# Altium PCB RESET_BOARD_V2.PcbDoc
Units mil, origin at the board's own origin, x right, y up, seen from the top; angles counter-clockwise.
Board outline 7250 x 2750 mil, 2 copper layers (Top Layer, Bottom Layer); 120 components, 96 nets, 349 pads, 22 vias.
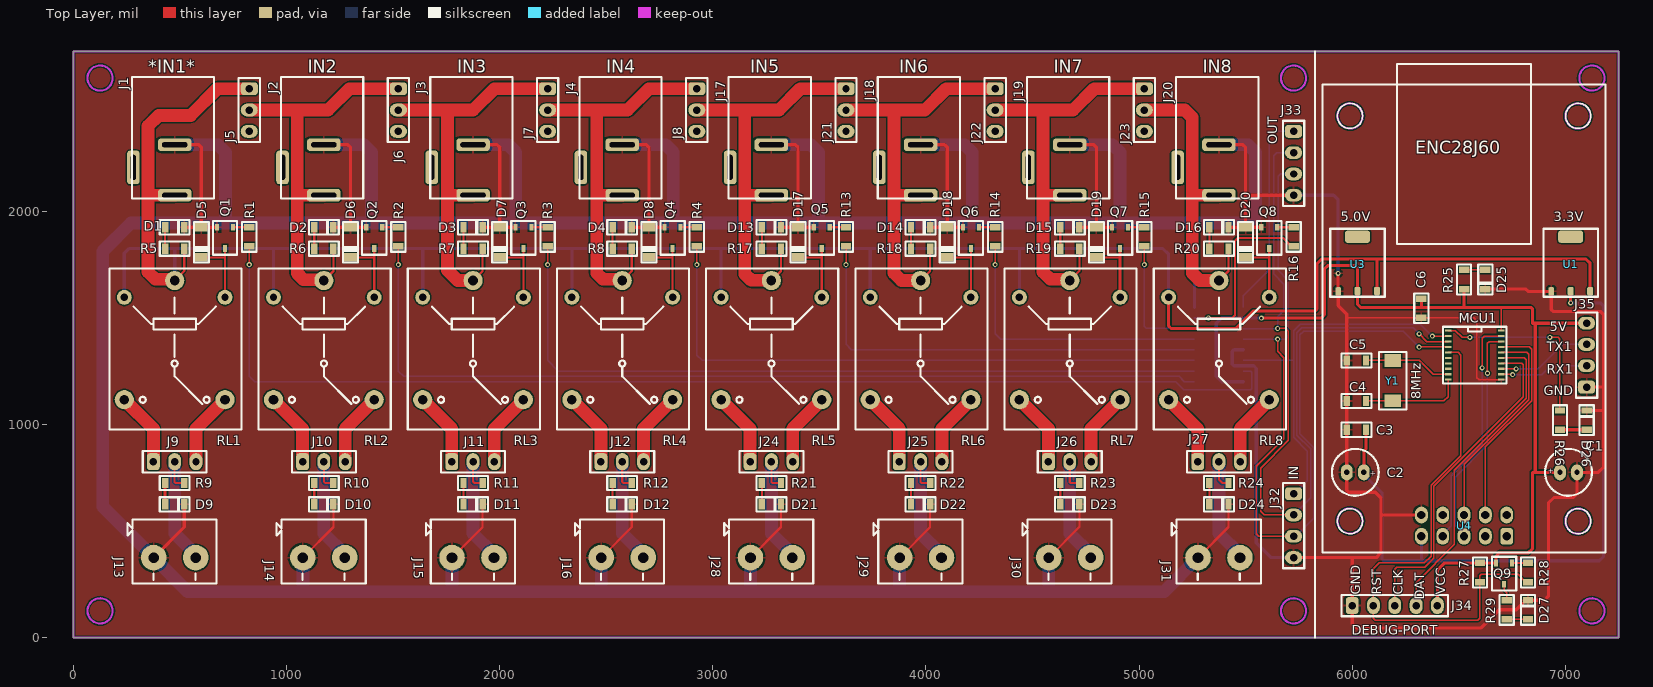
[diagram p0: Top Layer view]
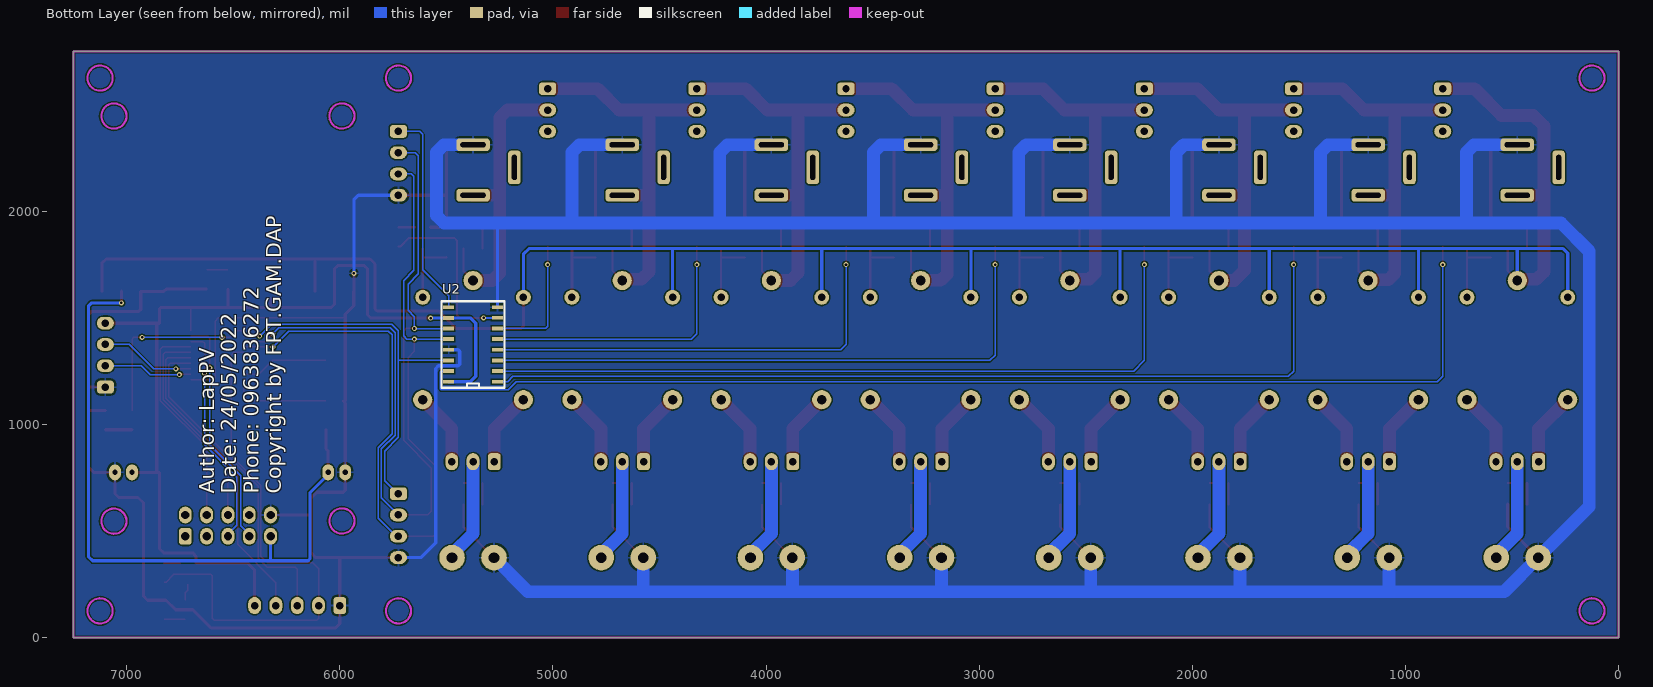
[diagram p1: Bottom Layer view, seen from below]
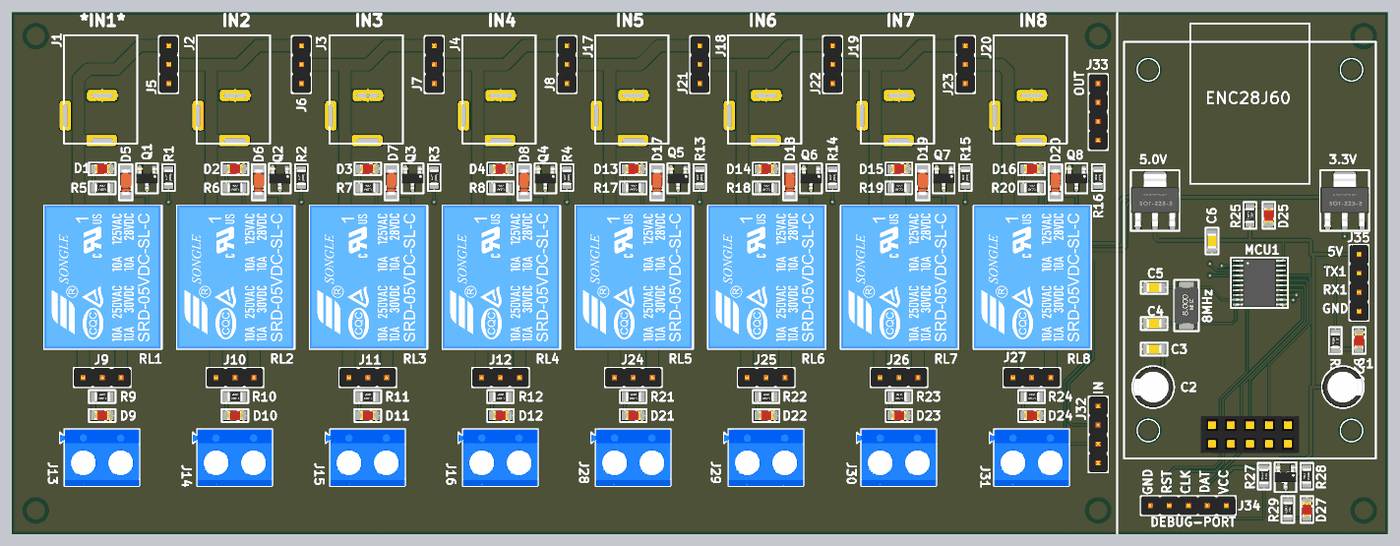
[diagram p2: 3D render of the assembled board from above, using the file's embedded part models]

## Layer stack, top to bottom
Top Solder: solder mask 0.4, Solder Resist, Dk 3.5
Top Layer: signal copper 1.4
Dielectric 1: dielectric 12.6, FR-4, Dk 4.8
Bottom Layer: signal copper 1.4
Bottom Solder: solder mask 0.4, Solder Resist, Dk 3.5

## Board outline
0,0 0,2750 7250,2750 7250,0

## Design rules (kind name [scope] priority, off if disabled: settings)
Clearance [All] p1: gap=6 ignorepadtopadclearanceinfootprint=FALSE
PolygonConnect [All] p1: connectstyle=Relief reliefconductorwidth=10 reliefentries=4 polygonreliefangle="90 Angle" airgapwidth=10
RoutingVias [All] p1: holewidth=11.81 width=23.62 viastyle="Through Hole" minholewidth=11.81 minwidth=23.62 maxholewidth=11.81 maxwidth=23.62
SolderMaskExpansion [All] p1: expansion=4 istentingtop=FALSE
Width [All] p1: maxlimit=60 minlimit=7 preferedwidth=7
30 further rules are at their usual default settings.

## Components (designator, comment, footprint, x,y, rotation, side; value= is the part's Value field where it differs from the comment)
C1 "10uF" CAP_RAD_D05x11 7015,775 r0 top
C2 "10uF" CAP_RAD_D05x11 6015,775 r180 top
C3 "104" C0805 6020,975 r0 top
C4 "104" C0805 6020,1110 r180 top
C5 "104" C0805 6020,1300 r180 top
C6 "104" C0805 6325,1545 r270 top
D1 "LED0805" L0805RED 475,1925 r0 top
D2 "LED0805" L0805RED 1175,1925 r0 top
D3 "LED0805" L0805RED 1875,1925 r0 top
D4 "LED0805" L0805RED 2575,1925 r0 top
D5 "1N4148" SOD-80 600,1854.13 r270 top
D6 "1N4148" SOD-80 1300,1854.13 r270 top
D7 "1N4148" SOD-80 2000,1854.13 r270 top
D8 "1N4148" SOD-80 2700,1854.13 r270 top
D9 "LED0805" L0805RED 475,625 r0 top
D10 "LED0805" L0805RED 1175,625 r0 top
D11 "LED0805" L0805RED 1875,625 r0 top
D12 "LED0805" L0805RED 2575,625 r0 top
D13 "LED0805" L0805RED 3275,1925 r0 top
D14 "LED0805" L0805RED 3975,1925 r0 top
D15 "LED0805" L0805RED 4675,1925 r0 top
D16 "LED0805" L0805RED 5375,1925 r0 top
D17 "1N4148" SOD-80 3400,1854.13 r270 top
D18 "1N4148" SOD-80 4100,1854.13 r270 top
D19 "1N4148" SOD-80 4800,1854.13 r270 top
D20 "1N4148" SOD-80 5500,1854.13 r270 top
D21 "LED0805" L0805RED 3275,625 r0 top
D22 "LED0805" L0805RED 3975,625 r0 top
D23 "LED0805" L0805RED 4675,625 r0 top
D24 "LED0805" L0805RED 5375,625 r0 top
D25 "LED0805" L0805RED 6625,1680 r270 top
D26 "STATUS" L0805RED 7100,1020 r90 top
D27 "STATUS" L0805RED 6825,130 r90 top
J1 "Connector" DC_K375A_Power -36.81,2362.4 r180 top
J2 "Connector" DC_K375A_Power 663.19,2362.4 r180 top
J3 "Connector" DC_K375A_Power 1363.19,2362.4 r180 top
J4 "Connector" DC_K375A_Power 2063.19,2362.4 r180 top
J5 "HEADER-MALE-2.54MM" HEADER-MALE-03PINS-2.54MM 825,2575 r270 top
J6 "HEADER-MALE-2.54MM" HEADER-MALE-03PINS-2.54MM 1525,2575 r270 top
J7 "HEADER-MALE-2.54MM" HEADER-MALE-03PINS-2.54MM 2225,2575 r270 top
J8 "HEADER-MALE-2.54MM" HEADER-MALE-03PINS-2.54MM 2925,2575 r270 top
J9 "HEADER-MALE-2.54MM" HEADER-MALE-03PINS-2.54MM 375,825 r0 top
J10 "HEADER-MALE-2.54MM" HEADER-MALE-03PINS-2.54MM 1075,825 r0 top
J11 "HEADER-MALE-2.54MM" HEADER-MALE-03PINS-2.54MM 1775,825 r0 top
J12 "HEADER-MALE-2.54MM" HEADER-MALE-03PINS-2.54MM 2475,825 r0 top
J13 "KF306" DG306-5.0-02P-12-00AH 475,375 r0 top
J14 "KF306" DG306-5.0-02P-12-00AH 1175,375 r0 top
J15 "KF306" DG306-5.0-02P-12-00AH 1875,375 r0 top
J16 "KF306" DG306-5.0-02P-12-00AH 2575,375 r0 top
J17 "Connector" DC_K375A_Power 2763.19,2362.4 r180 top
J18 "Connector" DC_K375A_Power 3463.19,2362.4 r180 top
J19 "Connector" DC_K375A_Power 4163.19,2362.4 r180 top
J20 "Connector" DC_K375A_Power 4863.19,2362.4 r180 top
J21 "HEADER-MALE-2.54MM" HEADER-MALE-03PINS-2.54MM 3625,2575 r270 top
J22 "HEADER-MALE-2.54MM" HEADER-MALE-03PINS-2.54MM 4325,2575 r270 top
J23 "HEADER-MALE-2.54MM" HEADER-MALE-03PINS-2.54MM 5025,2575 r270 top
J24 "HEADER-MALE-2.54MM" HEADER-MALE-03PINS-2.54MM 3175,825 r0 top
J25 "HEADER-MALE-2.54MM" HEADER-MALE-03PINS-2.54MM 3875,825 r0 top
J26 "HEADER-MALE-2.54MM" HEADER-MALE-03PINS-2.54MM 4575,825 r0 top
J27 "HEADER-MALE-2.54MM" HEADER-MALE-03PINS-2.54MM 5275,825 r0 top
J28 "KF306" DG306-5.0-02P-12-00AH 3275,375 r0 top
J29 "KF306" DG306-5.0-02P-12-00AH 3975,375 r0 top
J30 "KF306" DG306-5.0-02P-12-00AH 4675,375 r0 top
J31 "KF306" DG306-5.0-02P-12-00AH 5375,375 r0 top
J32 "IN" HEADER-MALE-04PINS-2.54MM 5725,675 r270 top
J33 "OUT" HEADER-MALE-04PINS-2.54MM 5725,2375 r270 top
J34 "SWD" HEADER-MALE-05PINS-2.54MM 6000,150 r0 top
J35 "UART0" HEADER-MALE-04PINS-2.54MM 7100,1175 r90 top
MCU1 "Mini58FDE" TSSOP20_0.65_4.4 6575,1325 r0 top
Q1 "2N3904" SOT23-3 711.23,1875 r180 top
Q2 "2N3904" SOT23-3 1411.23,1875 r180 top
Q3 "2N3904" SOT23-3 2111.23,1875 r180 top
Q4 "2N3904" SOT23-3 2811.23,1875 r180 top
Q5 "2N3904" SOT23-3 3511.23,1875 r180 top
Q6 "2N3904" SOT23-3 4211.23,1875 r180 top
Q7 "2N3904" SOT23-3 4911.23,1875 r180 top
Q8 "2N3904" SOT23-3 5611.22,1875 r180 top
Q9 "2N3906" SOT23-3 6712.6,300 r180 top
R1 "10k" R0805 825,1880 r90 top
R2 "10k" R0805 1525,1880 r90 top
R3 "10k" R0805 2225,1880 r90 top
R4 "10k" R0805 2925,1880 r90 top
R5 "10k" R0805 475,1825 r0 top
R6 "10k" R0805 1175,1825 r0 top
R7 "10k" R0805 1875,1825 r0 top
R8 "10k" R0805 2575,1825 r0 top
R9 "10k" R0805 475,725 r0 top
R10 "10k" R0805 1175,725 r0 top
R11 "10k" R0805 1875,725 r0 top
R12 "10k" R0805 2575,725 r0 top
R13 "10k" R0805 3625,1880 r90 top
R14 "10k" R0805 4325,1880 r90 top
R15 "10k" R0805 5025,1880 r90 top
R16 "10k" R0805 5725,1880 r90 top
R17 "10k" R0805 3275,1825 r0 top
R18 "10k" R0805 3975,1825 r0 top
R19 "10k" R0805 4675,1825 r0 top
R20 "10k" R0805 5375,1825 r0 top
R21 "10k" R0805 3275,725 r0 top
R22 "10k" R0805 3975,725 r0 top
R23 "10k" R0805 4675,725 r0 top
R24 "10k" R0805 5375,725 r0 top
R25 "10k" R0805 6525,1680 r270 top
R26 "10k" R0805 6975,1020 r270 top
R27 "10k" R0805 6600,305 r270 top
R28 "10k" R0805 6825,305 r90 top
R29 "10k" R0805 6725,130 r270 top
RL1 "Relay-SONGLE-SRD-05VDC" RELAY-SONGLE-SRD-05VDC_BLUE 475,1395.65 r90 top
RL2 "Relay-SONGLE-SRD-05VDC" RELAY-SONGLE-SRD-05VDC_BLUE 1175,1395.65 r90 top
RL3 "Relay-SONGLE-SRD-05VDC" RELAY-SONGLE-SRD-05VDC_BLUE 1875,1395.65 r90 top
RL4 "Relay-SONGLE-SRD-05VDC" RELAY-SONGLE-SRD-05VDC_BLUE 2575,1395.65 r90 top
RL5 "Relay-SONGLE-SRD-05VDC" RELAY-SONGLE-SRD-05VDC_BLUE 3275,1395.65 r90 top
RL6 "Relay-SONGLE-SRD-05VDC" RELAY-SONGLE-SRD-05VDC_BLUE 3975,1395.65 r90 top
RL7 "Relay-SONGLE-SRD-05VDC" RELAY-SONGLE-SRD-05VDC_BLUE 4675,1395.65 r90 top
RL8 "Relay-SONGLE-SRD-05VDC" RELAY-SONGLE-SRD-05VDC_BLUE 5375,1395.65 r90 top
U1 "3.3V" SOT223-3 7025,1760.83 r0 top
U2 "74HC595D" SO16 5375,1375 r0 bottom
U3 "5.0V" SOT223-3 6025,1760.83 r0 top
U4 "ENC28J60" ENC28J60 6525,525 r0 top
Y1 "8MHz" SMD5032 6190,1205 r90 top

## Footprints (in the part's own frame and the unit in brackets; to place one, negate y for a bottom-side part, rotate by r counter-clockwise, add the part's x,y. Pads: shape width x height; smd on the part's side, far side on the other; paste and mask are expansions set on the pad)
C0805 [mil]
  rect 30x48.82 smd: 1(-45,0) 2(45,0)
  silkscreen extent -70,-33 70,33, body extent -39,-24 39,24, height 39
CAP_RAD_D05x11 [mil]
  oval 55x75 hole 25: 1(-40,0) 2(40,0)
  silkscreen extent -110,-110 110,110, body extent -108,-108 108,108, height 492
DC_K375A_Power [mm]
  rrect50% 4x1.5 hole 0.6 slot 3 at 0 deg: 1(-13,7.3) 2(-13,1.275)
  rrect50% 1.5x4 hole 0.6 slot 3 at 90 deg: 3(-8.075,3.975)
  silkscreen extent -17.7,-6.8 -7.9,7.7, body extent -17.7,-6.8 -7.9,7.7, height 11
DG306-5.0-02P-12-00AH [mil] "• Current rating: 10 A AC/DC  • Voltage rating: 300 V AC/DC  • Temperature range: -30° ~ +120°  • Applicable wire: 22-14AWG UL (0.5 - 1.5mm² IEC)"
  round 120 hole 50: 1(-98.43,0) 2(98.43,0)
  silkscreen extent -221,-121 197,178, body extent -221,-121 196,178, height 394
ENC28J60 [mm]
  rrect50% 1.524x2 hole 1: 1(5.08,-1.27)
  oval 1.524x2 hole 1: 2(5.08,1.27) 3(2.54,-1.27) 4(2.54,1.27) 5(0,-1.27) 6(0,1.27) 7(-2.54,-1.27) 8(-2.54,1.27) 9(-5.08,-1.27) 10(-5.08,1.27)
  silkscreen extent -16.85,-3.22 16.85,55, body extent -6.6,-2.51 6.6,2.49, height 8.5
HEADER-MALE-03PINS-2.54MM [mil]
  rrect50% 60x80 hole 35: 1(0,0)
  oval 60x80 hole 35: 2(100,0) 3(200,0)
  silkscreen extent -50,-50 250,50, body extent -50,-50 250,50, height 350
HEADER-MALE-04PINS-2.54MM [mil]
  rrect50% 60x80 hole 35: 1(0,0)
  oval 60x80 hole 35: 2(100,0) 3(200,0) 4(300,0)
  silkscreen extent -50,-50 350,50, body extent -50,-50 350,50, height 350
HEADER-MALE-05PINS-2.54MM [mil]
  rrect50% 60x80 hole 35: 1(0,0)
  oval 60x80 hole 35: 2(100,0) 3(200,0) 4(300,0) 5(400,0)
  silkscreen extent -50,-50 450,50, body extent -50,-50 450,50, height 350
L0805RED [mil]
  rect 30x48.82 smd: 1(-45,0) 2(45,0)
  silkscreen extent -70,-35 70,35, body extent -39,-25 39,25, height 43
R0805 [mil]
  rect 30x48.82 smd: 1(-45,0) 2(45,0)
  silkscreen extent -70,-33 70,33, body extent -39,-25 40,25, height 18
RELAY-SONGLE-SRD-05VDC_BLUE [mil]
  round 70 hole 35: 1(200.61,-236.22) 3(200.61,236.22)
  round 90 hole 45: 2(279.35,0) 4(-279.7,236.22) 5(-279.7,-236.22)
  silkscreen extent -419,-314 335,306, body extent -418,-309 338,305, height 626
SMD5032 [mm]
  rect 1.5x2 smd: 1(-2.413,0) 2(2.413,0)
  silkscreen extent -3.43,-1.65 3.43,1.63, body extent -2.5,-1.6 2.5,1.6, height 1.2
SO16 [mil]
  rect 50x18 smd: 1(-114.78,174.95) 2(-114.78,124.95) 3(-114.78,74.95) 4(-114.78,24.95) 5(-114.78,-25.05) 6(-114.78,-75.05) 7(-114.78,-125.05) 8(-114.78,-175.05) 9(114.78,-174.95) 10(114.78,-124.95) 11(114.78,-74.95) 12(114.78,-24.95) 13(114.78,25.05) 14(114.78,75.05) 15(114.78,125.05) 16(114.78,175.05)
  silkscreen extent -148,-203 149,203, body extent -121,-196 121,196, height 69
SOD-80 [mil]
  rect 40x60 smd: 1(-70.87,0) 2(70.87,0)
  silkscreen extent -95,-35 95,37, body extent -69,-30 69,29, height 58
SOT23-3 [mm]
  rect 0.5x0.8 smd: 1(-0.95,-1.27) 2(0.95,-1.27) 3(0,1.27)
  silkscreen extent -1.45,-2 1.45,2, body extent -1.45,-1.4 1.45,1.4, height 1.3
SOT223-3 [mm]
  rrect50% 0.7x1 smd: 1(-2.3,-3.475) 2(0,-3.45) 3(2.325,-3.45)
  rrect50% 3x1.5 smd: 4(0,3.048)
  silkscreen extent -3.25,-4.11 3.25,3.99, body extent -3.25,-3.5 3.25,3.5, height 1.7
TSSOP20_0.65_4.4 [mil]
  rect 30x10 smd: 1(-125,115.16) 2(-125,89.57) 3(-125,63.98) 4(-125,38.39) 5(-125,12.8) 6(-125,-12.8) 7(-125,-38.39) 8(-125,-63.98) 9(-125,-89.57) 10(-125,-115.16) 11(125,-115.16) 12(125,-89.57) 13(125,-63.98) 14(125,-38.39) 15(125,-12.8) 16(125,12.8) 17(125,38.39) 18(125,63.98) 19(125,89.57) 20(125,115.16)
  silkscreen extent -150,-133 150,133, body extent -124,-128 124,128, height 43

## Part data
C1 C2: library part Capacitor(Radian)
C3 C4 C5 C6: library part Capacitors(SMD)
D5 D6 D7 D8 D17 D18 D19 D20: library part Diode-1N4148, "The fast switching diode"
D26 D27: library part LED0805
J1 J2 J3 J4 J17 J18 J19 J20: library part JackDC
J5 J6 J7 J8 J9 J10 J11 J12 J21 J22 J23 J24 J25 J26 J27: library part HEADER-MALE-03PINS-2.54MM
J13 J14 J15 J16 J28 J29 J30 J31: library part DG306-5.0-02P-12-00AH
J32 J33 J35: library part HEADER-MALE-04PINS-2.54MM
J34: library part HEADER-MALE-05PINS-2.54MM
MCU1: library part Mcu-Mini58FDE, "Novoton 4Kb-RAM 32Kb-Flash"
Q1 Q2 Q3 Q4 Q5 Q6 Q7 Q8: library part Transistor-2N3904
Q9: library part Transistor-2N3906
R1 R2 R3 R4 R5 R6 R7 R8 R9 R10 R11 R12 R13 R14 R15 R16 R17 R18 R19 R20 R21 R22 R23 R24 R25 R26 R27 R28 R29: library part Resistors-SMD
U1 U3: library part Ic-AMS1117(SOT-223)
U2: library part Ic-74HC595D
Y1: library part Crystal

## Via types
v1: diameter 23.62, hole 11.81, Top Layer to Bottom Layer, tented both sides, 22 vias

## Nets (pads, with @x,y where several pads share a name; then routed paths per layer and width w, separated by ;. In a path a pad name is that pad's centre, name@x,y a point inside that pad or via, vN(x,y) a via of type N, cw(c..) or ccw(c..) an arc to the next point about the centre after c; other vN are vias at no path point)
+12: J1.1 J5.1 R5.2 RL1.2 RL1.3 RL2.3 RL3.3 RL4.3 RL5.3 RL6.3 RL7.3 RL8.3 U1.3 U3.3 | length 11190.2
  Top Layer w10: RL1.2 520,1720 R5.2
  Top Layer w15: RL8.3 5138.78,1461.22 5150,1450 5454,1450 5536,1532 5826,1532 5835,1541 5835,1753 5858,1776 6117.49,1776 ; U3.3 6116.54,1775.05 6117.49,1776 ; U1.3 7116.54,1756.46 7097,1776 6117.49,1776
  Top Layer w60: RL1.2 469.26,1680.74 385,1680.74 350,1715.74 350,2075 ; J1.1 350,2075 ; J5.1 675,2575 550,2450 400,2450 350,2400 350,2075
  Bottom Layer w15: RL1.3 238.78,1803.78 260,1825 475,1825 ; RL1.2 475,1825 ; RL2.3 938.78,1823.72 937.5,1825 ; RL3.3 1638.78,1823.72 1637.5,1825 ; RL4.3 2338.78,1823.72 2337.5,1825 ; RL5.3 3038.78,1823.72 3037.5,1825 ; RL6.3 3738.78,1823.72 3737.5,1825 ; RL7.3 4438.78,1823.72 4437.5,1825 ; RL8.3 5138.78,1798.72 5112.5,1825 4437.5,1825 ; 475,1825 937.5,1825 ; 937.5,1825 1637.5,1825 ; 1637.5,1825 2337.5,1825 ; 2337.5,1825 3037.5,1825 ; 3037.5,1825 3737.5,1825 ; 3737.5,1825 4437.5,1825
CLK: J32.2 J33.2 MCU1.3 U2.11 | length 3879.4
  Top Layer w7: v1(5650,1450) 5688,1450 5700,1438 5700,925 5570,795 5570,592.5 5587.5,575 J32.2 ; v1(6314,1425) 6314.18,1425 6350.2,1388.98 MCU1.3
  Bottom Layer w7: U2.11 v1(5650,1450) 5650,1505 5680,1535 5680,1658 5632,1706 5632,2260 5647,2275 J33.2 ; J32.2 5805,655 5805,885 5740,950 5740,1430 5763,1453 6285.74,1453 6313.74,1425 v1(6314,1425)
CS: MCU1.19 U4.7 | length 1112.3
  Top Layer w7: U4.7 U4.7@6424.96,486.66 ; v1(6610,1265) 6610,1405 6619.57,1414.57 MCU1.19
  Bottom Layer w7: U4.7 6425,484.37 6464.5,523.87 6464.5,759.5 6610,905 v1(6610,1265)
DAT: J32.1 MCU1.2 U2.14 | length 1816.5
  Top Layer w7: v1(6376,1414) 6376.57,1414.57 MCU1.2
  Bottom Layer w7: U2.14 5725,1299.95 ; J32.1 5728.78,675 5790,736.22 5790,875 5725,940 5725,1299.95 ; v1(6376,1414) 6320,1470 5756,1470 5725,1439 5725,1299.95
GND: C1.2 C2.2 C3.1 C4.2 C5.2 C6.2 D1.2 D2.2 D3.2 D4.2 D5.1 D6.1 D7.1 D8.1 D9.2 D10.2 D11.2 D12.2 D13.2 D14.2 D15.2 D16.2 D17.1 D18.1 D19.1 D20.1 D21.2 D22.2 D23.2 D24.2 D25.2 D26.2 D27.2 J1.2 J2.2 J3.2 J4.2 J13.1 J14.1 J15.1 J16.1 J17.2 J18.2 J19.2 J20.2 J28.1 J29.1 J30.1 J31.1 J32.4 J33.4 J34.1 J35.1 MCU1.11 Q1.2 Q2.2 Q3.2 Q4.2 Q5.2 Q6.2 Q7.2 Q8.2 U1.1 U2.8 U2.13 U3.1 U4.10 | length 34459.7
  Top Layer w7: 5975,1500 C6.2 6570,1500 6585,1485 6585,1220 6595.16,1209.84 6625,1209.84 ; 6625,1210 6699.84,1210 MCU1.11
  Top Layer w10: J14.1 1220,518.43 D10.2 ; J15.1 1920,518.43 D11.2 ; J16.1 2620,518.43 D12.2 ; J28.1 3320,518.43 D21.2 ; J29.1 4020,518.43 D22.2 ; J30.1 4720,518.43 D23.2 ; J31.1 5420,518.43 D24.2
  Top Layer w15: J13.1 520,518.43 D9.2 ; J1.2 587.8,2312.2 600,2300 D5.1 ; D1.2 D5.1 ; Q1.2 D5.1 ; J2.2 1287.8,2312.2 1300,2300 D6.1 ; D2.2 D6.1 ; Q2.2 D6.1 ; J3.2 1875.3,2312.5 1987.5,2312.5 2000,2300 D7.1 ; D3.2 D7.1 ; Q3.2 D7.1 ; J4.2 2687.8,2312.2 2700,2300 D8.1 ; D4.2 D8.1 ; Q4.2 D8.1 ; J17.2 3387.8,2312.2 3400,2300 D17.1 ; D13.2 D17.1 ; Q5.2 D17.1 ; J18.2 4087.8,2312.2 4100,2300 D18.1 ; D14.2 D18.1 ; Q6.2 D18.1 ; J19.2 4787.8,2312.2 4800,2300 D19.1 ; D15.2 D19.1 ; Q7.2 D19.1 ; J20.2 5487.2,2312.2 5500,2299.41 5500,2075 ; D16.2 D20.1 ; Q8.2 D20.1 ; J32.4 6003,375 ; J33.4 5500,2075 ; v1(5934,1709) 5934.22,1708.78 5934.22,1624.24 U3.1 5934.45,1557.28 5975,1516.73 5975,1500 C5.2 C4.2 ; C4.2@5985,1110 5975,1100 C3.1 C2.2 5975,690.79 5983.79,682 6108,682 6115.99,674.01 6135,655 6135,575 ; U4.10 6135,575 ; D25.2 6815,1635 6825.98,1624.02 U1.1 6934.45,1538.79 6943.24,1530 7165,1530 7180,1515 7180,1175 ; D26.2 7178,1065 7180,1067 ; J35.1 7180,1175 ; D20.1 5500,2075 ; 6003,375 6000,372 J34.1 6000,65 6020,45 6605,45 6690,130 6770.59,130 6815.59,175 D27.2 6902.5,175 6921,193.5 6921,631 6947,657 7038,657 7055,674 C1.2 7155,775 7180,800 7180,1067 ; 6003,375 6113,375 6135,397 6135,575 ; 7180,1067 7180,1175
  Bottom Layer w15: 5260,1945 5260.22,1944.78 U2.8 ; U2.13 5444.95,1349.95 5437.5,1342.5 5437.5,1282.5 5445,1275 5537.5,1275 5550,1262.5 5550,445 5620,375 J32.4 ; J33.4 5913,2075 5934,2054 v1(5934,1709)
  Bottom Layer w60: J1.2 678.85,2312.2 714,2277.06 714,1948 711,1945 ; J14.1 1076.57,216.57 1075,215 ; J2.2 1362.85,2312.2 1398,2277.06 1398,1945 ; J15.1 1776.57,226.57 1765,215 ; J3.2 2039.85,2312.2 2075,2277.06 2075,1945 ; J16.1 2476.57,221.57 2470,215 ; J4.2 2778.85,2312.2 2814,2277.06 2814,1945 ; J28.1 3176.57,216.57 3175,215 ; J17.2 3460.85,2312.2 3496,2277.06 3496,1947 3498,1945 ; J29.1 3876.57,226.57 3865,215 ; J18.2 4181.36,2312.2 4217.14,2276.43 4217.14,1945.14 4217,1945 ; J30.1 4576.57,218.43 4580,215 ; J19.2 4875.85,2312.2 4911,2277.06 4911,1946 4910,1945 ; J31.1 5116.57,215 4580,215 ; J20.2 5510.85,2312.2 5546,2277.06 5546,1980.15 5510.85,1945 5260,1945 4910,1945 ; 711,1945 270,1945 137.5,1812.5 137.5,614.07 J13.1 536.57,215 1075,215 ; 711,1945 1398,1945 ; 1075,215 1765,215 ; 1398,1945 2075,1945 ; 1765,215 2470,215 ; 2075,1945 2814,1945 ; 2470,215 3175,215 ; 2814,1945 3498,1945 ; 3175,215 3865,215 ; 3498,1945 4217,1945 ; 3865,215 4580,215 ; 4217,1945 4910,1945
ICE_CLK: J34.3 MCU1.14 | length 1562.2
  Top Layer w7: J34.3 6200,320 6209.5,329.5 6341.5,329.5 6383,371 6383,708.62 6803,1128.62 6803,1279 6795.39,1286.61 MCU1.14
ICE_DAT: J34.4 MCU1.15 | length 1486.5
  Top Layer w7: J34.4 6300,257 6480,437 6480,785.77 6816,1121.77 6816,1303 6806.8,1312.2 MCU1.15
LAT: J32.3 J33.3 MCU1.4 U2.12 | length 3971.2
  Top Layer w7: v1(5650,1400) 5650,1342.5 5680,1312.5 5680,933.28 5550,803.28 5550,487.5 5562.5,475 J32.3 ; v1(6314,1363) 6314.19,1363.19 6449.81,1363.19 MCU1.4
  Bottom Layer w7: U2.12 v1(5650,1400) 5685,1400 5701,1416 5701,1675 5653,1723 5653,2164 5664,2175 J33.3 ; J32.3 5735,475 5820,560 5820,890 5755,955 5755,1420 5772,1437 6240,1437 v1(6314,1363)
NetC2_1: C2.1 C3.2 U1.2 U4.9 | length 3203.7
  Top Layer w15: C2.1 6055,874 6065,884 C3.2 ; v1(7025,1570) U1.2
  Bottom Layer w15: C2.1 6055,765 6140,680 6140,368.79 6148.79,360 6325,360 7160,360 7180,380 7180,1555 7165,1570 v1(7025,1570) ; 6324.96,360.04 U4.9
NetD1_1: D1.1 R5.1 | length 100
  Top Layer w10: R5.1 D1.1
NetD2_1: D2.1 R6.1 | length 100
  Top Layer w10: R6.1 D2.1
NetD3_1: D3.1 R7.1 | length 100
  Top Layer w10: R7.1 D3.1
NetD4_1: D4.1 R8.1 | length 100
  Top Layer w10: R8.1 D4.1
NetD5_2: D5.2 Q1.3 RL1.1 | length 340
  Top Layer w10: D5.2 711.23,1783.27 ; RL1.1 711.23,1783.27 ; Q1.3 711.23,1783.27
NetD6_2: D6.2 Q2.3 RL2.1 | length 340
  Top Layer w10: D6.2 1411.23,1783.27 ; RL2.1 1411.23,1783.27 ; Q2.3 1411.23,1783.27
NetD7_2: D7.2 Q3.3 RL3.1 | length 340
  Top Layer w10: D7.2 2111.23,1783.27 ; RL3.1 2111.23,1783.27 ; Q3.3 2111.23,1783.27
NetD8_2: D8.2 Q4.3 RL4.1 | length 340
  Top Layer w10: D8.2 2811.23,1783.27 ; RL4.1 2811.23,1783.27 ; Q4.3 2811.23,1783.27
NetD9_1: D9.1 R9.1 | length 100
  Top Layer w15: D9.1 R9.1
NetD10_1: D10.1 R10.1 | length 100
  Top Layer w10: D10.1 R10.1
NetD11_1: D11.1 R11.1 | length 100
  Top Layer w10: D11.1 R11.1
NetD12_1: D12.1 R12.1 | length 100
  Top Layer w10: D12.1 R12.1
NetD13_1: D13.1 R17.1 | length 100
  Top Layer w10: R17.1 D13.1
NetD14_1: D14.1 R18.1 | length 100
  Top Layer w10: R18.1 D14.1
NetD15_1: D15.1 R19.1 | length 100
  Top Layer w10: R19.1 D15.1
NetD16_1: D16.1 R20.1 | length 100
  Top Layer w10: R20.1 D16.1
NetD17_2: D17.2 Q5.3 RL5.1 | length 340
  Top Layer w10: D17.2 3511.23,1783.27 ; RL5.1 3511.23,1783.27 ; Q5.3 3511.23,1783.27
NetD18_2: D18.2 Q6.3 RL6.1 | length 340
  Top Layer w10: D18.2 4211.23,1783.27 ; RL6.1 4211.23,1783.27 ; Q6.3 4211.23,1783.27
NetD19_2: D19.2 Q7.3 RL7.1 | length 340
  Top Layer w10: D19.2 4911.23,1783.27
  Top Layer w15: RL7.1 4911.23,1783.27 Q7.3
NetD20_2: D20.2 Q8.3 RL8.1 | length 342.8
  Top Layer w10: D20.2@5502,1785.27 D20.2 5611.22,1783.27 ; RL8.1 5611.22,1783.27 ; Q8.3 5611.22,1783.27
NetD21_1: D21.1 R21.1 | length 100
  Top Layer w10: D21.1 R21.1
NetD22_1: D22.1 R22.1 | length 100
  Top Layer w10: D22.1 R22.1
NetD23_1: D23.1 R23.1 | length 100
  Top Layer w10: D23.1 R23.1
NetD24_1: D24.1 R24.1 | length 100
  Top Layer w10: D24.1 R24.1
NetD25_1: D25.1 R25.1 | length 100
  Top Layer w7: R25.1 D25.1
NetD26_1: D26.1 R26.2 | length 125
  Top Layer w15: R26.2 D26.1
NetD27_1: D27.1 R29.2 | length 100
  Top Layer w7: R29.2 D27.1
NetJ2_1: J2.1 J5.2 J6.1 R6.2 RL2.2 | length 1940.1
  Top Layer w10: RL2.2 1220,1720 R6.2
  Top Layer w60: J5.2 1050,2475 ; RL2.2 1171,1679 1080,1679 1050,1709 1050,2075 ; J2.1 1050,2075 ; J6.1 1295,2575 1195,2475 1050,2475 ; 1050,2075 1050,2475
NetJ3_1: J3.1 J6.2 J7.1 R7.2 RL3.2 | length 1921.7
  Top Layer w10: RL3.2 1920,1720 R7.2
  Top Layer w60: J6.2 1755,2475 ; RL3.2 1803.5,1675 1755,1723.5 1755,2075 ; J3.1 1755,2075 ; J7.1 1975,2575 1875,2475 1755,2475 ; 1755,2075 1755,2475
NetJ4_1: J4.1 J7.2 J8.1 R8.2 RL4.2 | length 1929.1
  Top Layer w10: RL4.2 2620,1720 R8.2
  Top Layer w60: J7.2 2455,2475 ; RL4.2 2569.26,1680.74 2485,1680.74 2455,1710.74 2455,2075 ; J4.1 2455,2075 ; J8.1 2700,2575 2600,2475 2455,2475 ; 2455,2075 2455,2475
NetJ8_2: J8.2 J17.1 J21.1 R17.2 RL5.2 | length 1941.9
  Top Layer w10: RL5.2 3320,1720 R17.2
  Top Layer w60: J8.2 3150,2475 ; RL5.2 3274,1676 3180,1676 3150,1706 3150,2075 ; J17.1 3150,2075 ; J21.1 3410,2575 3310,2475 3150,2475 ; 3150,2075 3150,2475
NetJ9_1: J9.1 RL1.4 | length 347.4
  Top Layer w60: RL1.4 375,979.72 J9.1
NetJ9_2: J9.2 J13.2 R9.2 | length 632.3
  Top Layer w10: J9.2 475,730.86 480.86,725 R9.2
  Bottom Layer w60: J9.2 475,488.71 573.43,390.28 J13.2
NetJ9_3: J9.3 RL1.5 | length 347.4
  Top Layer w60: J9.3 575,979.72 RL1.5
NetJ10_1: J10.1 RL2.4 | length 347.4
  Top Layer w60: RL2.4 1075,979.72 J10.1
NetJ10_2: J10.2 J14.2 R10.2 | length 632.3
  Top Layer w10: J10.2 1175,730.86 1180.86,725 R10.2
  Bottom Layer w60: J10.2 1175,488.71 1273.43,390.28 J14.2
NetJ10_3: J10.3 RL2.5 | length 347.4
  Top Layer w60: J10.3 1275,979.72 RL2.5
NetJ11_1: J11.1 RL3.4 | length 347.4
  Top Layer w60: RL3.4 1775,979.72 J11.1
NetJ11_2: J11.2 J15.2 R11.2 | length 632.3
  Top Layer w10: J11.2 1875,730.86 1880.86,725 R11.2
  Bottom Layer w60: J11.2 1875,488.71 1973.43,390.28 J15.2
NetJ11_3: J11.3 RL3.5 | length 347.4
  Top Layer w60: J11.3 1975,979.72 RL3.5
NetJ12_1: J12.1 RL4.4 | length 347.4
  Top Layer w60: RL4.4 2475,979.72 J12.1
NetJ12_2: J12.2 J16.2 R12.2 | length 632.3
  Top Layer w10: J12.2 2575,730.86 2580.86,725 R12.2
  Bottom Layer w60: J12.2 2575,488.71 2673.43,390.28 J16.2
NetJ12_3: J12.3 RL4.5 | length 347.4
  Top Layer w60: J12.3 2675,979.72 RL4.5
NetJ18_1: J18.1 J21.2 J22.1 R18.2 RL6.2 | length 1939.6
  Top Layer w10: RL6.2 4020,1720 R18.2
  Top Layer w60: J21.2 3850,2475 ; RL6.2 3885,1675 3850,1710 3850,2075 ; J18.1 3850,2075 ; J22.1 4095,2575 3995,2475 3850,2475 ; 3850,2075 3850,2475
NetJ19_1: J19.1 J22.2 J23.1 R19.2 RL7.2 | length 1936.2
  Top Layer w10: RL7.2 4720,1720 R19.2
  Top Layer w60: J22.2 4550,2475 ; RL7.2 4669.26,1680.74 4585,1680.74 4550,1715.74 4550,2075 ; J19.1 4550,2075 ; J23.1 4790,2575 4690,2475 4550,2475 ; 4550,2075 4550,2475
NetJ20_1: J20.1 J23.2 R20.2 RL8.2 | length 1402.5
  Top Layer w10: RL8.2 5420,1720 R20.2
  Top Layer w60: J23.2 5214.85,2475 5250,2439.85 5250,2075 ; RL8.2 5285,1675 5250,1710 5250,2075 ; J20.1 5250,2075
NetJ24_1: J24.1 RL5.4 | length 347.4
  Top Layer w60: RL5.4 3175,979.72 J24.1
NetJ24_2: J24.2 J28.2 R21.2 | length 632.3
  Top Layer w10: J24.2 3275,730.86 3280.86,725 R21.2
  Bottom Layer w60: J24.2 3275,488.71 3373.43,390.28 J28.2
NetJ24_3: J24.3 RL5.5 | length 347.4
  Top Layer w60: J24.3 3375,979.72 RL5.5
NetJ25_1: J25.1 RL6.4 | length 347.4
  Top Layer w60: RL6.4 3875,979.72 J25.1
NetJ25_2: J25.2 J29.2 R22.2 | length 632.3
  Top Layer w10: J25.2 3975,730.86 3980.86,725 R22.2
  Bottom Layer w60: J25.2 3975,488.71 4073.43,390.28 J29.2
NetJ25_3: J25.3 RL6.5 | length 347.4
  Top Layer w60: J25.3 4075,979.72 RL6.5
NetJ26_1: J26.1 RL7.4 | length 347.4
  Top Layer w60: RL7.4 4575,979.72 J26.1
NetJ26_2: J26.2 J30.2 R23.2 | length 632.3
  Top Layer w10: J26.2 4675,730.86 4680.86,725 R23.2
  Bottom Layer w60: J26.2 4675,488.71 4773.43,390.28 J30.2
NetJ26_3: J26.3 RL7.5 | length 347.4
  Top Layer w60: J26.3 4775,979.72 RL7.5
NetJ27_1: J27.1 RL8.4 | length 347.4
  Top Layer w60: RL8.4 5275,979.72 J27.1
NetJ27_2: J27.2 J31.2 R24.2 | length 627
  Top Layer w10: J27.2 5375,740 5390,725 R24.2
  Bottom Layer w60: J27.2 5375,488.71 5473.43,390.28 J31.2
NetJ27_3: J27.3 RL8.5 | length 347.4
  Top Layer w60: J27.3 5475,979.72 RL8.5
NetJ35_2: J35.2 MCU1.12 | length 417.6
  Top Layer w7: MCU1.12 6700.72,1234.72 6752.28,1234.72 v1(6753,1234)
  Bottom Layer w7: v1(6753,1234) 6890,1234 6931,1275 J35.2
NetJ35_3: J35.3 MCU1.13 | length 448.1
  Top Layer w7: MCU1.13 v1(6769.5,1261.02)
  Bottom Layer w7: v1(6769.5,1261.02) 6770.52,1260 6874,1260 6989,1375 J35.3
NetMCU1_1: MCU1.1 R26.1 | length 876.6
  Top Layer w7: MCU1.1 6484.84,1440.16 6517,1408 v1(6552,1408) ; v1(6928,1408) 6967,1408 6975,1400 R26.1
  Bottom Layer w7: v1(6552,1408) v1(6928,1408)
NetQ1_1: Q1.1 R1.2 | length 76.4
  Top Layer w10: Q1.1 R1.2
NetQ2_1: Q2.1 R2.2 | length 76.4
  Top Layer w10: Q2.1 R2.2
NetQ3_1: Q3.1 R3.2 | length 76.4
  Top Layer w10: Q3.1 R3.2
NetQ4_1: Q4.1 R4.2 | length 76.4
  Top Layer w10: Q4.1 R4.2
NetQ5_1: Q5.1 R13.2 | length 76.4
  Top Layer w10: Q5.1 R13.2
NetQ6_1: Q6.1 R14.2 | length 76.4
  Top Layer w10: Q6.1 R14.2
NetQ7_1: Q7.1 R15.2 | length 76.4
  Top Layer w10: Q7.1 R15.2
NetQ8_1: Q8.1 R16.2 | length 76.4
  Top Layer w10: Q8.1 R16.2
NetQ9_1: Q9.1 R28.2 | length 75
  Top Layer w10: Q9.1 R28.2
NetQ9_3: Q9.3 R29.1 | length 80.1
  Top Layer w7: Q9.3 6712.6,221.4 6725,209 R29.1
NetR1_1: R1.1 U2.15 | length 5461.8
  Top Layer w7: v1(825,1750) R1.1
  Bottom Layer w7: v1(825,1750) 825,1225 850,1200 5171.72,1200 5209.22,1162.5 5524.14,1162.5 5530,1168.36 5530,1244.14 5524.14,1250 U2.15 U2.15
NetR2_1: R2.1 U2.1 | length 4340.9
  Top Layer w7: v1(1525,1750) R2.1
  Bottom Layer w7: v1(1525,1750) 1525,1250 1550,1225 5187.5,1225 5212.45,1200.05 U2.1
NetR3_1: R3.1 U2.2 | length 3590.9
  Top Layer w7: v1(2225,1750) R3.1
  Bottom Layer w7: v1(2225,1750) 2225,1300 2274.95,1250.05 U2.2
NetR4_1: R4.1 U2.3 | length 2855.6
  Top Layer w7: v1(2925,1750) R4.1
  Bottom Layer w7: v1(2925,1750) 2925,1325 2949.95,1300.05 U2.3
NetR13_1: R13.1 U2.4 | length 2105.6
  Top Layer w7: v1(3625,1750) R13.1
  Bottom Layer w7: v1(3625,1750) 3625,1375 3649.95,1350.05 U2.4
NetR14_1: R14.1 U2.5 | length 1355.6
  Top Layer w7: v1(4325,1750) R14.1
  Bottom Layer w7: v1(4325,1750) 4325,1425 4349.98,1400.02 ; 4350,1400.05 U2.5
NetR15_1: R15.1 U2.6 | length 614.3
  Top Layer w7: v1(5025,1750) R15.1
  Bottom Layer w7: v1(5025,1750) 5025,1460 5034.95,1450.05 U2.6
NetR16_1: R16.1 U2.7 | length 841.7
  Top Layer w10: v1(5325,1500) 5437.5,1500 5450,1512.5 5450,1862.5 5462.5,1875 5675.59,1875 5715.59,1835 R16.1
  Bottom Layer w10: U2.7 v1(5325,1500)
OUT: J33.1 U2.9 | length 980.5
  Bottom Layer w7: U2.9 5489.78,1603 5612,1725.22 5612,2361 5626,2375 J33.1
RESET: J34.2 MCU1.5 R27.2 R28.1 | length 2542.9
  Top Layer w7: MCU1.5 6497.2,1337.8 6510,1325 6510,854 6370,714 6370,382 6338,350 6128,350 6100,322 J34.2 6100,90 6109.5,80.5 6588.5,80.5 6599,91 6599,290.14 6604.86,296 6779.59,296 6815.59,260 R28.1
SCK: MCU1.16 U4.6 | length 1012.6
  Top Layer w7: U4.6 6524.96,812.35 6829,1116.38 6829,1329 6820.2,1337.8 MCU1.16
SI: MCU1.18 U4.5 | length 1063.5
  Top Layer w7: U4.5 U4.5@6524.96,484.37 ; v1(6635,1240) 6635,1379.9 6644.07,1388.98 MCU1.18
  Bottom Layer w7: U4.5 6525,484.37 6482.91,526.46 6482.91,751.91 6635,904 v1(6635,1240)
SO: MCU1.17 U4.4 | length 1014.2
  Top Layer w7: U4.4 6625,894 6842,1111 6842,1353 6831.61,1363.39 MCU1.17
VCC: C1.1 C6.1 J34.5 J35.4 MCU1.20 Q9.2 R25.2 R27.1 U2.10 U2.16 U3.2 | length 4706.8
  Top Layer w7: MCU1.20 6700,1549
  Top Layer w15: v1(5574,1499) 5854,1499 5870,1515 5870,1730 5885,1745 6010,1745 6025,1730 U3.2 6025,1563 6039,1549 6325,1549 ; C6.1 6325,1549 ; J34.5 6400,316 6434,350 R27.1 Q9.2 6675.2,382.2 6690,397 6826,397 6846.62,417.62 6846.62,775 6859,775 ; R25.2 6525,1549 ; C1.1 6859,775 ; J35.4 6859,1475 ; 6325,1549 6525,1549 ; 6525,1549 6700,1549 6837.84,1549 6846.62,1540.21 6846.62,1475 6859,1475 ; 6859,775 6859,1475
  Bottom Layer w15: U2.16 5387.55,1199.95 5362.5,1225 5362.5,1475 5387.45,1499.95 U2.10 5573.05,1499.95 v1(5574,1499)
XT1: C4.1 MCU1.10 Y1.1 | length 473.1
  Top Layer w7: C4.1 Y1.1 6430,1110 6450,1130 MCU1.10
XT2: C5.1 MCU1.9 Y1.2 | length 411.7
  Top Layer w7: C5.1 Y1.2 6315.43,1300 6380,1235.43 MCU1.9
pads on no net: J1.3 J2.3 J3.3 J4.3 J5.3 J6.3 J7.3 J8.3 J17.3 J18.3 J19.3 J20.3 J21.3 J22.3 J23.3 MCU1.6 MCU1.7 MCU1.8 U1.4 U3.4 U4.1 U4.2 U4.3 U4.8

## Polygon pours and split planes (outlines as drawn)
GND on Top Layer "GND_L01_P000" (solid, pour order 0): 0,2750 7250,2750 7250,0 0,0
GND on Bottom Layer "GND_L02_P001" (solid, pour order 1): 0,2750 7250,2750 7250,0 0,0

## Keep-outs
Keep-Out Layer:
  circle w10: c5990.29,2447.4 r59.06
  circle w10: c7060,546 r59.06
  circle w10: c5990,547 r59.06
  circle w10: c7060,2447 r59.06
  circle w10: c125,2625 r59.06
  circle w10: c125,125 r59.06
  circle w10: c7125,2625 r59.06
  circle w10: c7125,125 r59.06
  circle w10: c5725,125 r59.06
  circle w10: c5725,2625 r59.06
  lines w10: 0,0 0,2750 7250,2750 7250,0 0,0

## Silkscreen, mask and mechanical layers (free items; w line width, h text height)
Top Overlay:
  lines w10: 5825,0 5825,2750
  text "*IN1*" at 350,2650 h60
  text "IN2" at 1100,2650 h60
  text "IN3" at 1800,2650 h60
  text "IN4" at 2500,2650 h60
  text "IN5" at 3175,2650 h60
  text "IN6" at 3875,2650 h60
  text "IN7" at 4600,2650 h60
  text "IN8" at 5300,2650 h60
  text "5V" at 6927.51,1437.51 h45
  text "TX1" at 6912.52,1342.51 h45
  text "RX1" at 6912.52,1237.51 h45
  text "GND" at 6900.02,1137.51 h45
  text "GND" at 6037.49,200.02 h45 r90
  text "RST" at 6137.49,200.02 h45 r90
  text "CLK" at 6237.49,200.02 h45 r90
  text "VCC" at 6437.49,200.02 h45 r90
  text "DAT" at 6337.49,177.53 h45 r90
  text "DEBUG-PORT" at 5997.57,12.51 h45
Bottom Overlay:
  text "Author: LapPV / Date: 24/05/2022 / Phone: 0963836272 / Copyright by FPT.GAM.DAP" at 6275,675 h70 r270

## Text inside footprints (layer, text, board x,y; h text height)
C1: Top Overlay "+" at 6916.93,760.81 h45
C2: Top Overlay "+" at 6113.07,789.19 h45 r180